# Altium PCB LimeKEY-RPCM_1v0.PcbDoc (part 3 of 8) (continued)
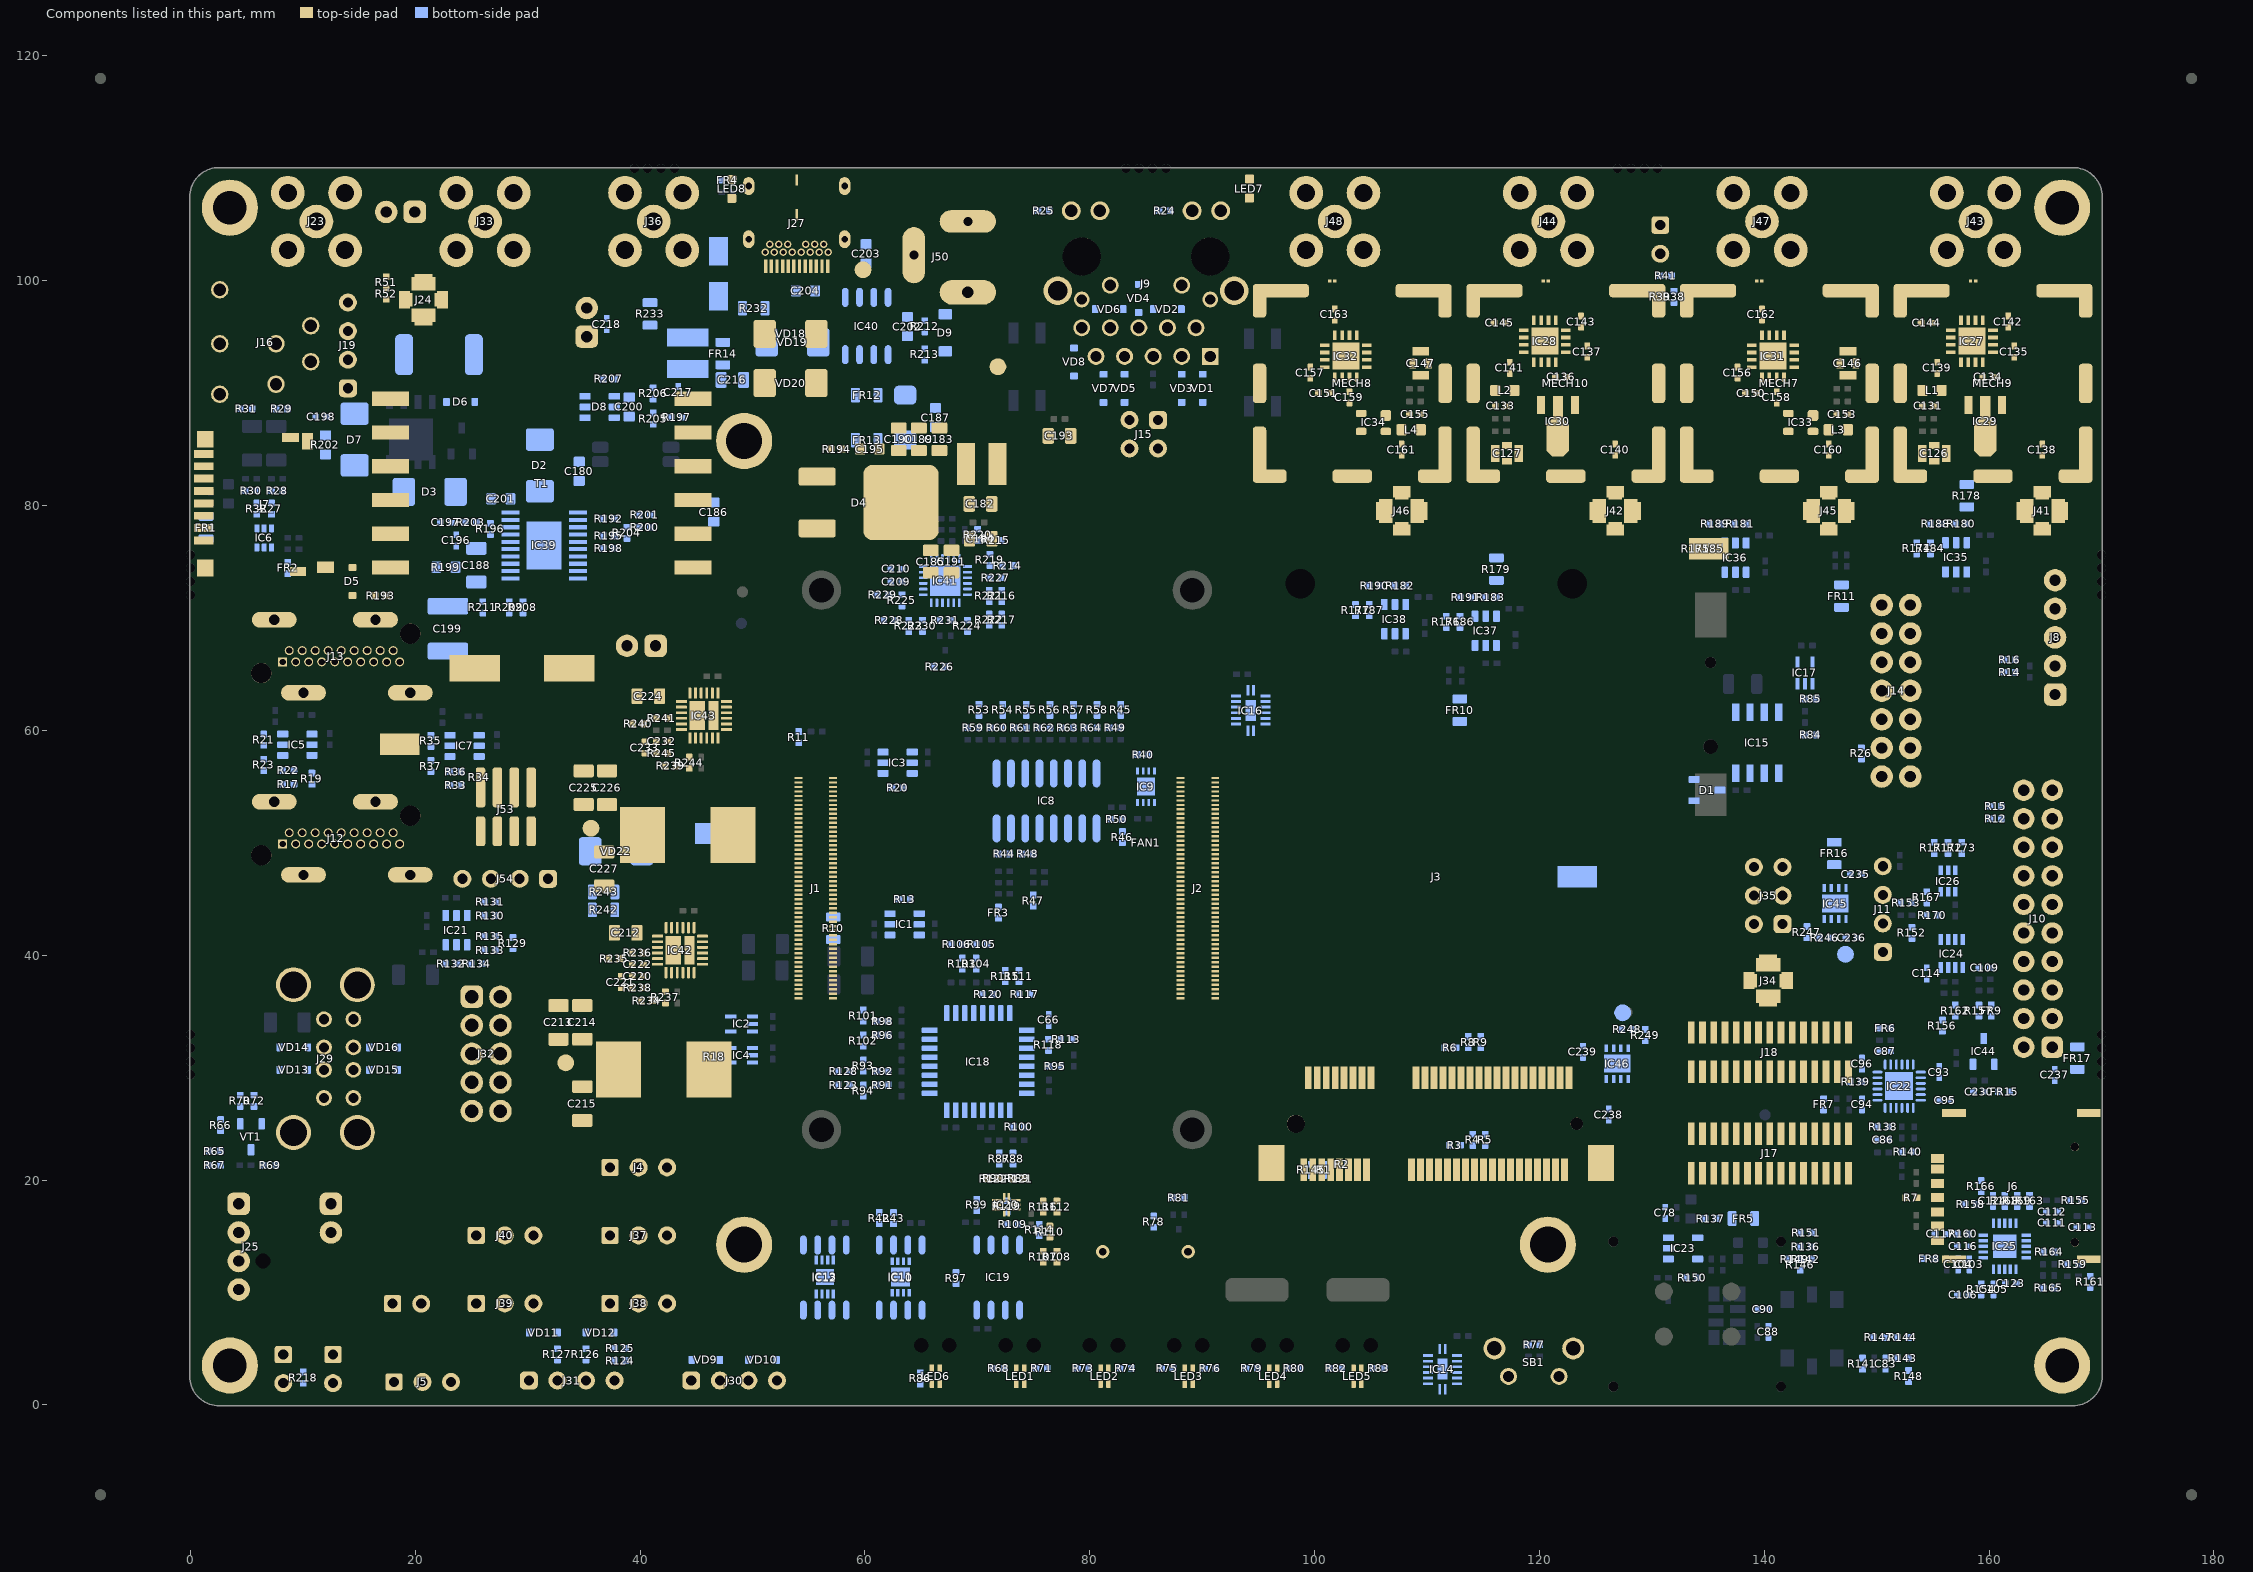
[diagram p7: the components of this part, seen from the top]
## Part data (continued)
D5 D6: library part MURA120T3G_diode, Manufacturer=Nexperia, Manufacturer Part Number 1=BAS316,115, Supplier Part Number 1=1727-4309-1-ND, ComponentLink1Description=http://www.mouser.com/ds/2/427/mmsz5225-102133.pdf, ComponentLink1URL=http://www.mouser.com/ds/2/427/mmsz5225-102133.pdf, ComponentLink2Description=http://www.onsemi.com/pub/Collateral/MMSD4148T1-D.PDF, ComponentLink2URL=http://www.onsemi.com/pub/Collateral/MMSD4148T1-D.PDF, ComponentLink3Description=http://www.farnell.com/datasheets/1707241.pdf, ComponentLink3URL=http://www.farnell.com/datasheets/1707241.pdf, ComponentLink4Description=https://www.verical.com/server-webapp/html/getDatasheet?partID=78734, ComponentLink4URL=https://www.verical.com/server-webapp/html/getDatasheet?partID=78734, ComponentLink5Description=http://www.onsemi.com/pub/Collateral/MURA115T3-D.PDF, ComponentLink5URL=http://www.onsemi.com/pub/Collateral/MURA115T3-D.PDF, ComponentLink6Description=http://www.jameco.com/Jameco/Products/ProdDS/1100812.pdf, ComponentLink6URL=http://www.jameco.com/Jameco/Products/ProdDS/1100812.pdf, ComponentLink7Description=http://uk.rs-online.com/webdocs/1221/0900766b812212fb.pdf, ComponentLink7URL=http://uk.rs-online.com/webdocs/1221/0900766b812212fb.pdf, ComponentLink8Description=http://www.farnell.com/datasheets/1750742.pdf, ComponentLink8URL=http://www.farnell.com/datasheets/1750742.pdf, ComponentLink9Description=http://www.farnell.com/datasheets/1856332.pdf?src-supplier=Farnell, ComponentLink9URL=http://www.farnell.com/datasheets/1856332.pdf?src-supplier=Farnell, ComponentLink10Description=https://assets.nexperia.com/documents/data-sheet/BAS16_SER.pdf?src-supplier=Digi-Key, ComponentLink10URL=https://assets.nexperia.com/documents/data-sheet/BAS16_SER.pdf?src-supplier=Digi-Key, ComponentLink11Description=http://www.farnell.com/datasheets/1856332.pdf?src-supplier=Newark, ComponentLink11URL=http://www.farnell.com/datasheets/1856332.pdf?src-supplier=Newark, Part Description="DIODE GEN PURP 100V 250MA SOD323", Pricing 1="1=0,16000, 10=0,14200, 100=0,07710, 500=0,04744, 1000=0,03234 (USD)", RoHS=Yes, RoHS Compliant=Yes, Stock 1=163548, Supplier 1=Digi-Key
D8: library part NCP431AVSNT1GOSCT_VREF, Case/Package=SOT-23-3, Cathode Current=60uA, Manufacturer="ON Semiconductor", Max Input Voltage=2.525V, Max Operating Temperature=125°C, Max Output Current=100mA, Max Output Voltage=36V, Min Input Voltage=2.475V, Min Operating Temperature=-40°C, Min Output Voltage=2.5V, Package Quantity=3000, Supplier Part Number 1=NCP431AVSNT1GOSCT-ND, Temperature Coefficient=50ppm/°C, Tolerance=1%, ComponentLink1Description=https://datasheet.ciiva.com/8132/ncp431-d-8132432.pdf?src-supplier=Avnet, ComponentLink1URL=https://datasheet.ciiva.com/8132/ncp431-d-8132432.pdf?src-supplier=Avnet, ComponentLink2Description=https://datasheet.ciiva.com/30476/0900766b8121bbe3-30476322.pdf?src-supplier=RSComponents, ComponentLink2URL=https://datasheet.ciiva.com/30476/0900766b8121bbe3-30476322.pdf?src-supplier=RSComponents, ComponentLink3Description=https://datasheet.ciiva.com/49020/70300496-49020892.pdf?src-supplier=Allied+Electronics, ComponentLink3URL=https://datasheet.ciiva.com/49020/70300496-49020892.pdf?src-supplier=Allied+Electronics, Halogen Free="Halogen Free", Height=1.01mm, Lead Free="Lead Free", Length=3.04mm, Manufacturer Part Number 1=NCP431AVSNT1G, Number of Pins=3, Output Current=100mA, Output Type=Adjustable, Output Voltage=36V, Packaging="Tape and Reel", Part Description="Shunt Voltage Reference IC Adjustable 2.5V 36 VV ±1% 100 mA SOT-23-3 (TO-236)", Pricing 1="1=0,44000, 10=0,35700, 25=0,32640, 100=0,24290, 250=0,22008, 500=0,18216, 1000=0,13661 (USD)", Radiation Hardening=No, REACH SVHC="No SVHC", Reference Type=Shunt,Adjustable,Programmable, Reference Voltage=2.5V, RoHS=Yes, Stock 1=4600, Supplier 1=Digi-Key, Width=1.4mm
D9: library part MMSZ5245B_shottky_diode, Manufacturer=Nexperia, Manufacturer Part Number 1=NZH10C,115, Supplier Part Number 1=1727-5057-1-ND, ComponentLink1Description=http://www.mouser.com/ds/2/427/mmsz5225-102133.pdf, ComponentLink1URL=http://www.mouser.com/ds/2/427/mmsz5225-102133.pdf, ComponentLink2Description=https://datasheet.ciiva.com/331/littelfuse-tvs-diode-smbj-datasheet-pdf-331299.pdf?src-supplier=Digi-Key, ComponentLink2URL=https://datasheet.ciiva.com/331/littelfuse-tvs-diode-smbj-datasheet-pdf-331299.pdf?src-supplier=Digi-Key, ComponentLink3Description=https://datasheet.ciiva.com/331/littelfuse-tvs-diode-smbj-datasheet-pdf-331300.pdf?src-supplier=Digi-Key, ComponentLink3URL=https://datasheet.ciiva.com/331/littelfuse-tvs-diode-smbj-datasheet-pdf-331300.pdf?src-supplier=Digi-Key, ComponentLink4Description=https://datasheet.ciiva.com/331/littelfuse-tvs-diode-smbj-datasheet-pdf-331301.pdf?src-supplier=Digi-Key, ComponentLink4URL=https://datasheet.ciiva.com/331/littelfuse-tvs-diode-smbj-datasheet-pdf-331301.pdf?src-supplier=Digi-Key, ComponentLink5Description=http://www.farnell.com/datasheets/1508365.pdf?src-supplier=Farnell, ComponentLink5URL=http://www.farnell.com/datasheets/1508365.pdf?src-supplier=Farnell, Part Description="DIODE ZENER 10V 500MW SOD123F", Pricing 1="1=0,27000, 10=0,22200, 100=0,11780, 500=0,07752, 1000=0,05271 (USD)", RoHS=Yes, RoHS Compliant=Yes, Stock 1=6768, Supplier 1=Digi-Key
ESD1 ESD2 ESD3 ESD4: Capacitance @ Frequency="0.2pF @ 1MHz", Current - Peak Pulse (10/1000µs)="3A (8/20µs)", Manufacturer="ON Semiconductor", Manufacturer Part Number 1=ESD8472MUT5G, Operating Temperature="-55°C ~ 150°C (TJ)", Package / Case=2-XFDFN, Power - Peak Pulse=-, Power Line Protection=No, Supplier Device Package="2-X3DFN (0.62x0.32)", Supplier Part Number 1=ESD8472MUT5GOSCT-ND, Voltage - Breakdown (Min)=7V, Voltage - Clamping (Max) @ Ipp=14V, Voltage - Reverse Standoff (Typ)="5.3V (Max)", Applications="Automotive, RF Antenna", Assembly Info=NF, Category="Circuit Protection", ComponentLink1Description=http://www.onsemi.com/pub/Collateral/ESD8472-D.PDF, ComponentLink1URL=http://www.onsemi.com/pub/Collateral/ESD8472-D.PDF, Mounting Type="Surface Mount", Packaging="Cut Tape (CT)", Part Description="TVS DIODE 5.3VWM 14VC X3DFN2", Part Status=Active, Pricing 1="1=0.39, 10=0.315, 100=0.2142, 500=0.16068, 1000=0.12051 (USD)", RoHS="RoHS Compliant", Stock 1=2295, Supplier 1=Digi-Key, Type=Zener
FAN1: library part 12V_DC_FAN, Case/Package=Axial, Current Rating=163mA, Flammability Rating="UL94 V-0", Manufacturer=Sunon, Manufacturer Part Number 1=ME80151V1-000U-A99, Max Operating Temperature=158°C, Max Power Dissipation=1.96W, Min Operating Temperature=14°C, Package Quantity=30, Supplier Part Number 1=259-1649-ND, Airflow=37CFM, Approvals=UL,CE,TUV, Bearing Type=Vapo-Bearing, ComponentLink1Description=https://datasheet.ciiva.com/18514/me8015-u-18514537.pdf?src-supplier=Digi-Key, ComponentLink1URL=https://datasheet.ciiva.com/18514/me8015-u-18514537.pdf?src-supplier=Digi-Key, Housing Material=Thermoplastic, Noise=34.7dBA, Part Description="Fan Tubeaxial 12VDC Square - 80mm L x 80mm H Vapo-Bearing™ 37.0 CFM (1.04m³/min) 2 Wire Leads", Pricing 1="1=6,90000, 10=6,66700, 25=6,47400, 50=6,08860, 100=5,47200, 250=5,39488, 500=5,04808 (USD)", RoHS=Yes, RPM=3000RPM, Stock 1=1611, Supplier 1=Digi-Key, Termination="2 Wire Leads", Weight=0.15lb, Width=15mm
FR1 FR5 FR10 FR11 FR12 FR13 FR14 FR16 FR17: library part Ferrite, Current Rating=2A, DC Resistance (DCR)="100 mOhm Max", Impedance @ Frequency="600 Ohm @ 100MHz", Manufacturer="TDK Corporation", Manufacturer Part Number 1=MPZ2012S601AT000, Package / Case="0805 (2012 Metric)", Supplier Part Number 1=445-2206-2-ND, Category=Filters, Filter Type="Differential Mode - Single", Height (Max)="0.041\" (1.05mm)", Mounting Type="Surface Mount", Packaging="Tape & Reel (TR)", Part Description="FERRITE BEAD 600 OHM 0805 1LN", RoHS="RoHS Compliant", Size / Dimension="0.079\" L x 0.049\" W (2.00mm x 1.25mm)", Supplier 1=Digi-Key
  FR14 FR17: Assembly Info=NF
FR2 FR3 FR4 FR6 FR7 FR8 FR9 FR15: library part Ferrite, Case/Package=0402, Case Code (Metric)=1005, Current Rating=500mA, DC Resistance (DCR)=340mR, Manufacturer=Murata, Manufacturer Part Number 1=BLM15AX601SN1D, Max Operating Temperature=125°C, Min Operating Temperature=-55°C, Package Quantity=1, Supplier Part Number 1=490-5441-1-ND, Test Frequency=100MHz, Tolerance=25%, Case Code (Imperial)=0402, ComponentLink1Description=https://www.murata.com/en-us/products/productdata/8796740059166/ENFA0018.pdf?src-supplier=Digi-Key, ComponentLink1URL=https://www.murata.com/en-us/products/productdata/8796740059166/ENFA0018.pdf?src-supplier=Digi-Key, ComponentLink2Description=http://search.murata.co.jp/Ceramy/image/img/PDF/ENG/L0110S0100BLM15AX_SN.pdf?src-supplier=Future+Electronics, ComponentLink2URL=http://search.murata.co.jp/Ceramy/image/img/PDF/ENG/L0110S0100BLM15AX_SN.pdf?src-supplier=Future+Electronics, ComponentLink3Description=http://www.produktinfo.conrad.com/datenblaetter/1100000-1199999/001171675-da-01-en-CHIP_DROSSEL0402_600R_420MA_1_0X0_5MM.pdf?src-supplier=Conrad, ComponentLink3URL=http://www.produktinfo.conrad.com/datenblaetter/1100000-1199999/001171675-da-01-en-CHIP_DROSSEL0402_600R_420MA_1_0X0_5MM.pdf?src-supplier=Conrad, ComponentLink4Description=http://www.produktinfo.conrad.com/datenblaetter/1100000-1199999/001172169-da-01-en-DROSSEL_0402_600R_1_0X0_5MM_10000ST.pdf?src-supplier=Conrad, ComponentLink4URL=http://www.produktinfo.conrad.com/datenblaetter/1100000-1199999/001172169-da-01-en-DROSSEL_0402_600R_1_0X0_5MM_10000ST.pdf?src-supplier=Conrad, Core Material=Ferrite, DC Resistance-Max=340mR, Depth=0.5mm, Height=0.5mm, Impedance=600R, Lead Free="Lead Free", Length=1mm, Material=Steel,Ferrite, Max Current Rating=500mA, Max DC Current=500mA, Number of Circuits=1, Number of Lines=1, Number of Pins=2, Packaging="Tape and Reel", Part Description="- Ferrite Bead 0402 (1005 Metric) 500mA 340mOhm", Pricing 1="1=0.1, 10=0.06, 25=0.0552, 50=0.0496, 100=0.0363, 250=0.0264, 500=0.0242, 1000=0.0209, 5000=0.0165 (USD)", REACH SVHC="No SVHC", RoHS Compliant=Yes, Series=BLM15AX_SN, Stock 1=416370, Supplier 1=Digi-Key, Termination=SMD/SMT, Width=0.5mm
  FR15: Assembly Info=NF
IC1 IC3: Case/Package=SOT-23-6, Manufacturer="Texas Instruments", Manufacturer Part Number 1=SN74AXC1T45DBVR, Max Operating Temperature=125°C, Min Operating Temperature=-40°C, Supplier Part Number 1=296-47598-1-ND, Channel Type=Bidirectional, ComponentLink1Description=http://www.ti.com/lit/ds/symlink/sn74axc1t45.pdf?src-supplier=Digi-Key, ComponentLink1URL=http://www.ti.com/lit/ds/symlink/sn74axc1t45.pdf?src-supplier=Digi-Key, ComponentLink2Description=http://www.ti.com/general/docs/suppproductinfo.tsp?distId=10&amp;gotoUrl=http%3A%2F%2Fwww.ti.com%2Flit%2Fgpn%2Fsn74axc1t45&src-supplier=Digi-Key, ComponentLink2URL=http://www.ti.com/general/docs/suppproductinfo.tsp?distId=10&amp;gotoUrl=http%3A%2F%2Fwww.ti.com%2Flit%2Fgpn%2Fsn74axc1t45&src-supplier=Digi-Key, Data Rate=500Mbps, Mount="Surface Mount", Number of Bits=1, Number of Circuits=1, Packaging="Cut Tape", Part Description="Voltage Level Translator Bidirectional 1 Circuit 1 Channel 500Mbps SOT-23-6", Pricing 1="1=0,68000, 10=0,59800, 25=0,56200, 100=0,45860, 250=0,42596, 500=0,36252, 1000=0,29002 (USD)", RoHS=Yes, RoHS Compliant=Yes, Stock 1=116252, Supplier 1=Digi-Key
IC2 IC4 IC17: library part 74AHCT1G126SE-7_BUFFER_NON_INV, Manufacturer=Diodes, Supplier Part Number 1=621-74LVC1G34QSE-7, ComponentLink1Description=https://datasheet.ciiva.com/12256/74ahct1g126-80154-12256741.pdf?src-supplier=Mouser, ComponentLink1URL=https://datasheet.ciiva.com/12256/74ahct1g126-80154-12256741.pdf?src-supplier=Mouser, ComponentLink2Description=https://datasheet.ciiva.com/26949/getdatasheetpartid-792439-26949318.pdf?src-supplier=Verical, ComponentLink2URL=https://datasheet.ciiva.com/26949/getdatasheetpartid-792439-26949318.pdf?src-supplier=Verical, ComponentLink3Description=https://datasheet.ciiva.com/1832/74ahct1g126-1832523.pdf?src-supplier=Digi-Key, ComponentLink3URL=https://datasheet.ciiva.com/1832/74ahct1g126-1832523.pdf?src-supplier=Digi-Key, ComponentLink4Description=https://datasheet.ciiva.com/1832/74ahct1g126-1832524.pdf?src-supplier=Digi-Key, ComponentLink4URL=https://datasheet.ciiva.com/1832/74ahct1g126-1832524.pdf?src-supplier=Digi-Key, ComponentLink5Description=https://datasheet.ciiva.com/1154/74ahct1g126-1154309.pdf?src-supplier=Element14, ComponentLink5URL=https://datasheet.ciiva.com/1154/74ahct1g126-1154309.pdf?src-supplier=Element14, ComponentLink6Description=https://datasheet.ciiva.com/26939/getdatasheetpartid-779272-26939183.pdf?src-supplier=Verical, ComponentLink6URL=https://datasheet.ciiva.com/26939/getdatasheetpartid-779272-26939183.pdf?src-supplier=Verical, Manufacturer Part Number 1=74LVC1G34QSE-7, Part Description="Buffers & Line Drivers Logic LVC 1 Gate SOT353 T&R 3K", Pricing 1="1=0,45000, 10=0,33900, 50=0,33900, 100=0,17800, 1000=0,11200, 10000=0,09400 (USD)", RoHS=Yes, Stock 1=1171, Supplier 1=Mouser
IC5 IC7 IC21 IC35 IC36 IC37 IC38: library part MIC2033_power_switch, Case/Package=SOT-23-6, Manufacturer=Microchip, Manufacturer Part Number 1=MIC2033-05AYM6-TR, Max Operating Temperature=125°C, Max Output Current=500mA, Min Operating Temperature=-40°C, Package Quantity=3000, Supplier Part Number 1=576-4143-1-ND, ComponentLink1Description=http://www.mouser.com/ds/2/268/mic2033-b-1076865.pdf?src-supplier=Mouser, ComponentLink1URL=http://www.mouser.com/ds/2/268/mic2033-b-1076865.pdf?src-supplier=Mouser, ComponentLink2Description=http://components.arrow.com/part/dataview/56727820S413982N1374?src-supplier=Arrow+Electronics, ComponentLink2URL=http://components.arrow.com/part/dataview/56727820S413982N1374?src-supplier=Arrow+Electronics, ComponentLink3Description=http://www.microchip.com/mymicrochip/filehandler.aspx?ddocname=en579457&src-supplier=Digi-Key, ComponentLink3URL=http://www.microchip.com/mymicrochip/filehandler.aspx?ddocname=en579457&src-supplier=Digi-Key, Fault Protection="Over Temperature", Interface=On/Off, Mount="Surface Mount", Number of Outputs=1, Number of Pins=6, Number of Switches=1, Output Configuration="High Side", Packaging="Tape and Reel", Part Description="Power Switch ICs - Power Distribution 500mA High-Side, Power Distribution Switch", Pricing 1="1=0,80000, 25=0,65720, 100=0,61500 (USD)", RoHS=Yes, RoHS Compliant=Yes, Series=-, Stock 1=1966, Supplier 1=Digi-Key
IC6: library part NC7WZ16P6X_DUAL_BUFFER, Manufacturer=Nexperia, Manufacturer Part Number 1=74LVC2G34GW,125, Supplier Part Number 1=1727-4219-1-ND, ComponentLink1Description=https://assets.nexperia.com/documents/data-sheet/74LVC2G34.pdf?src-supplier=Digi-Key, ComponentLink1URL=https://assets.nexperia.com/documents/data-sheet/74LVC2G34.pdf?src-supplier=Digi-Key, Part Description="Buffer, Non-Inverting 2 Element 1 Bit per Element Push-Pull Output 6-TSSOP", Pricing 1="1=0,430000, 10=0,321000, 25=0,281200, 100=0,182000, 250=0,150640, 500=0,120520, 1000=0,092400 (USD)", RoHS=Yes, RoHS Compliant=Yes, Stock 1=2900, Supplier 1=Digi-Key
IC8: library part MCP3208-CI/SL, "2.7V 4-Channel/8-Channel 12-Bit A/D Converters with SPI Serial Interface, 16-Pin SOIC 150mil, C Performance Grade, Industrial Temperature", Manufacturer=Microchip, Manufacturer Part Number 1=MCP3208T-CI/SL, Supplier Part Number 1=MCP3208T-CI/SLCT-ND, Mounting Technology="Surface Mount", PackageDescription="16-Lead Plastic Small Outline (SL) - Narrow, 3.90mm Body [SOIC]", PackageReference=SOIC-SL16, PackageVersion="revBB, Aug-2009", Part Description="12 Bit Analog to Digital Converter 4, 8 Input 1 SAR 16-SOIC", PartNumber=MCP3208-CI/SL, Supplier 1=Digi-Key
IC9: Manufacturer="NXP Semiconductors", Manufacturer Part Number 1=LM75BTP,147, Operating Temperature="-55°C ~ 125°C", Package / Case="8-WFDFN Exposed Pad", Sensing Temperature - Remote=-, Supplier Device Package="8-HWSON (2x3)", Supplier Part Number 1=568-9815-2-ND, Voltage - Supply="2.8 V ~ 5.5 V", Accuracy - Highest (Lowest)="±2°C (±3°C)", Category="Sensors, Transducers", Features="Output Switch, Programmable Limit, Shutdown Mode", Output Type=I²C, Packaging="Tape & Reel (TR)", Part Description="SENSOR TEMPERATURE I2C 8HWSON", Resolution="10 b", RoHS="RoHS Compliant", Sensing Temperature - Local="-55°C ~ 125°C", Sensor Type="Digital, Local", Supplier 1=Digi-Key, Test Condition="-25°C ~ 100°C (-55°C ~ 125°C)"
IC10: library part 24FC64F, Base Part Number=CAT24C128, Manufacturer="ON Semiconductor", Operating Temperature="-40°C ~ 85°C (TA)", Package / Case="8-SOIC (0.154\", 3.90mm Width)", Supplier Device Package=8-SOIC, Supplier Part Number 1=CAT24C128WI-GT3CT-ND, Voltage - Supply="1.8 V ~ 5.5 V", Category="Integrated Circuits (ICs)", ComponentLink1Description=http://www.onsemi.com/pub/Collateral/CAT24C128-D.PDF, ComponentLink1URL=http://www.onsemi.com/pub/Collateral/CAT24C128-D.PDF, Manufacturer Part Number 1=CAT24C128WI-GT3, Memory Format=EEPROM, Memory Interface=I²C, Memory Size="128Kb (16K x 8)", Memory Type=Non-Volatile, Mounting Type="Surface Mount", Packaging="Cut Tape (CT)", Part Description="EEPROM Memory IC 128Kb (16K x 8) I²C 1MHz 400ns 8-SOIC", Part Status=Active, Pricing 1="1=0.31, 10=0.309, 100=0.2532, 500=0.24616, 1000=0.23956 (USD)", RoHS="RoHS Compliant", Stock 1=14804, Supplier 1=Digi-Key, Technology=EEPROM, Write Cycle Time - Word, Page=5ms
IC11: library part M24128-DFMC6TG, Manufacturer=STMicroelectronics, Operating Temperature="-40°C ~ 85°C (TA)", Package / Case="8-UFDFN Exposed Pad", Supplier Device Package="8-UFDFPN (2x3)", Supplier Part Number 1=497-15739-1-ND, Voltage - Supply="1.7 V ~ 5.5 V", Assembly Info=NF, Category="Integrated Circuits (ICs)", ComponentLink1Description=http://www.st.com/content/ccc/resource/technical/document/datasheet/59/05/c9/5b/7b/41/48/b6/CD00259167.pdf/files/CD00259167.pdf/jcr:content/translations/en.CD00259167.pdf, ComponentLink1URL=http://www.st.com/content/ccc/resource/technical/document/datasheet/59/05/c9/5b/7b/41/48/b6/CD00259167.pdf/files/CD00259167.pdf/jcr:content/translations/en.CD00259167.pdf, Manufacturer Part Number 1=M24128-DFMC6TG, Memory Format=EEPROM, Memory Interface=I²C, Memory Size="128Kb (16K x 8)", Memory Type=Non-Volatile, Mounting Type="Surface Mount", Packaging="Cut Tape (CT)", Part Description="EEPROM Memory IC 128Kb (16K x 8) I²C 1MHz 450ns 8-UFDFPN (2x3)", Part Status=Active, Pricing 1="1=0.35, 10=0.348, 100=0.2854, 500=0.27748, 1000=0.27004 (USD)", RoHS="RoHS Compliant", Stock 1=5894, Supplier 1=Digi-Key, Technology=EEPROM, Write Cycle Time - Word, Page=5ms
IC12: library part ATECC508A_authentication_IC, Base Part Number=ATECC508, Manufacturer="Microchip Technology", Manufacturer Part Number 1=ATECC508A-SSHDA-T, Package / Case="8-SOIC (0.154\", 3.90mm Width)", Supplier Device Package=8-SOIC, Supplier Part Number 1=ATECC508A-SSHDA-TCT-ND, Applications="Networking and Communications", Assembly Info=NF, Category="Integrated Circuits (ICs)", Mounting Type="Surface Mount", Packaging="Cut Tape (CT)", Part Description="Authentication Chip IC Networking and Communications 8-SOIC", Part Status=Active, RoHS="RoHS Compliant", Supplier 1=Digi-Key, Type="Authentication Chip"
IC13: library part ATECC508A_authentication_IC, Manufacturer=Microchip, Manufacturer Part Number 1=ATECC508A-MAHDA-S, Supplier Part Number 1=ATECC508A-MAHDA-SDKR-ND, Part Description="Authentication Chip IC Networking and Communications 8-UDFN (2x3)", Pricing 1="1=0.73, 25=0.7064 (USD)", Stock 1=27941, Supplier 1=Digi-Key
IC14 IC16: library part 74HC595BQ,115, Manufacturer="Nexperia USA Inc.", Manufacturer Part Number 1=74AHC595BQ,115, Operating Temperature="-40°C ~ 125°C", Package / Case="16-VFQFN Exposed Pad", Supplier Device Package="16-DHVQFN (2.5x3.5)", Supplier Part Number 1=1727-6021-2-ND, Voltage - Supply="2 V ~ 5.5 V", Base Part Number=74AHC595, Category="Integrated Circuits (ICs)", ComponentLink1Description=https://assets.nexperia.com/documents/data-sheet/74AHC_AHCT595.pdf, ComponentLink1URL=https://assets.nexperia.com/documents/data-sheet/74AHC_AHCT595.pdf, Function="Serial to Parallel, Serial", Logic Type="Shift Register", Mounting Type="Surface Mount", Output Type=Tri-State, Packaging="Tape & Reel (TR)", Part Description="C 8BIT SHIFT REGISTER 16-DHVQFN", Part Status=Active, Pricing 1="3000=0.17949, 6000=0.16791, 15000=0.15633, 30000=0.14822 (USD)", RoHS="RoHS Compliant", Stock 1=24000, Supplier 1=Digi-Key
IC15: library part PCF85063AT_RTC_CALENDAR, Case/Package=TSSOP, Manufacturer="NXP Semiconductors", Manufacturer Part Number=PCF85063ATT/AJ, Max Operating Temperature=85°C, Max Supply Voltage=5.5V, Min Operating Temperature=-40°C, Min Supply Voltage=900mV, Supplier Part Number 1=568-12404-1-ND, ComponentLink1Description=http://www.farnell.com/datasheets/2014362.pdf?src-supplier=Farnell, ComponentLink1URL=http://www.farnell.com/datasheets/2014362.pdf?src-supplier=Farnell, ComponentLink2Description=https://www.nxp.com/docs/en/data-sheet/PCF85063A.pdf?src-supplier=Digi-Key, ComponentLink2URL=https://www.nxp.com/docs/en/data-sheet/PCF85063A.pdf?src-supplier=Digi-Key, ComponentLink3Description=http://www.nxp.com/documents/data_sheet/PCF85063A.pdf?src-supplier=Avnet, ComponentLink3URL=http://www.nxp.com/documents/data_sheet/PCF85063A.pdf?src-supplier=Avnet, Contact Plating=Gold, Date Format=YY-MM-DD-dd, Interface=I2C,Serial,2-Wire, Lead Free="Lead Free", Logic Function=Clock, Manufacturer Part Number 1=PCF85063ATT/AJ, Mount="Surface Mount", Number of Pins=8, Packaging="Tape and Reel", Part Description="Real Time Clock (RTC) IC Clock/Calendar - I²C, 2-Wire Serial 8-SOIC (0.154\", 3.90mm Width)", Pricing 1="1=1,06000, 10=0,94800, 25=0,89920, 100=0,73870, 250=0,69056, 500=0,61028, 1000=0,50779 (USD)", RoHS=Yes, RoHS Compliant=Yes, Stock 1=56211, Supplier 1=Digi-Key, Time Format="HH:MM:SS (12/24 hr)"
IC18: library part TUSB2036_USB_HUB, Case/Package=LQFP, Manufacturer="Texas Instruments", Manufacturer Part Number 1=TUSB2036VF, Max Operating Temperature=70°C, Max Supply Voltage=3.6V, Min Operating Temperature=0°C, Min Supply Voltage=3V, Operating Supply Current=40mA, Operating Supply Voltage=3.3V, Package Quantity=250, Supplier Part Number 1=296-11086-ND, ComponentLink1Description=https://datasheet.ciiva.com/1505/1535702-1505189.pdf?src-supplier=Element14, ComponentLink1URL=https://datasheet.ciiva.com/1505/1535702-1505189.pdf?src-supplier=Element14, ComponentLink2Description=https://datasheet.ciiva.com/1613/tusb2036-1613315.pdf?src-supplier=Newark, ComponentLink2URL=https://datasheet.ciiva.com/1613/tusb2036-1613315.pdf?src-supplier=Newark, ComponentLink3Description=https://datasheet.ciiva.com/15134/getdatasheetpartid-225880-15134503.pdf?src-supplier=Verical, ComponentLink3URL=https://datasheet.ciiva.com/15134/getdatasheetpartid-225880-15134503.pdf?src-supplier=Verical, ComponentLink4Description=https://datasheet.ciiva.com/5835/1535702-5835498.pdf?src-supplier=Farnell, ComponentLink4URL=https://datasheet.ciiva.com/5835/1535702-5835498.pdf?src-supplier=Farnell, ComponentLink5Description=https://datasheet.ciiva.com/1695/tusb2036-1695700.pdf?src-supplier=Digi-Key, ComponentLink5URL=https://datasheet.ciiva.com/1695/tusb2036-1695700.pdf?src-supplier=Digi-Key, ComponentLink6Description=https://datasheet.ciiva.com/41461/001187495-da-01-en-ic-2-3-port-usb-h-tusb2036vf-lqfp-32-tid-41461301.pdf?src-supplier=Conrad, ComponentLink6URL=https://datasheet.ciiva.com/41461/001187495-da-01-en-ic-2-3-port-usb-h-tusb2036vf-lqfp-32-tid-41461301.pdf?src-supplier=Conrad, Data Rate=12Mbps, Height=1.4mm, Lead Free="Lead Free", Length=7mm, Number of Pins=32, Number of Ports=3, Packaging=Tray, Part Description="USB Hub Controller USB 2.0 USB Interface 32-LQFP (7x7)", Pricing 1="1=4,18000, 10=3,75400, 25=3,54880, 80=3,07575, 250=2,91796, 500=2,61828, 1000=2,38080 (USD)", Radiation Hardening=No, REACH SVHC="No SVHC", RoHS=Yes, RoHS Compliant=Yes, Stock 1=77, Supplier 1=Digi-Key, Termination=SMD/SMT, USB Standard="USB 2.0", Weight=0.006148oz, Width=7mm
IC19: library part 93LC66AT-I/SN_EEPROM, Manufacturer="Microchip Technology", Manufacturer Part Number 1=93LC66AT-I/SN, Operating Temperature="-40°C ~ 85°C (TA)", Package / Case="8-SOIC (0.154\", 3.90mm Width)", Supplier Device Package=8-SOIC, Supplier Part Number 1=93LC66AT-I/SNDKR-ND, Voltage - Supply="2.5 V ~ 5.5 V", Assembly Info=NF, Category="Integrated Circuits (ICs)", ComponentLink1Description=http://www.microchip.com/mymicrochip/filehandler.aspx?ddocname=en011819, ComponentLink1URL=http://www.microchip.com/mymicrochip/filehandler.aspx?ddocname=en011819, Memory Format=EEPROM, Memory Interface=SPI, Memory Size="4Kb (512 x 8)", Memory Type=Non-Volatile, Mounting Type="Surface Mount", Packaging=Digi-Reel®, Part Description="EEPROM Memory IC 4Kb (512 x 8) SPI 2MHz 8-SOIC", Part Status=Active, Pricing 1="1=0.27, 25=0.2576, 100=0.2543 (USD)", RoHS="RoHS Compliant", Stock 1=6857, Supplier 1=Digi-Key, Technology=EEPROM, Write Cycle Time - Word, Page=6ms
IC20: Base Part Number=FSUSB42, Manufacturer="ON Semiconductor", On-State Resistance (Max)="6.5 Ohm", Operating Temperature="-40°C ~ 85°C (TA)", Package / Case=10-UFQFN, Supplier Device Package="10-UMLP (1.8x1.4)", Supplier Part Number 1=FSUSB42UMXCT-ND, Voltage - Supply, Dual (V±)=-, Voltage - Supply, Single (V+)="2.4 V ~ 4.4 V", -3db Bandwidth=720MHz, Applications=USB, Category="Integrated Circuits (ICs)", ComponentLink1Description=https://www.fairchildsemi.com/datasheets/FS/FSUSB42.pdf, ComponentLink1URL=https://www.fairchildsemi.com/datasheets/FS/FSUSB42.pdf, Features="Break-Before-Make, USB 2.0", Manufacturer Part Number 1=FSUSB42UMX, Multiplexer/Demultiplexer Circuit=-, Packaging="Cut Tape (CT)", Part Description="USB Switch IC 1 Channel 10-UMLP (1.8x1.4)", Part Status=Active, Pricing 1="1=0.59, 10=0.502, 100=0.3749, 500=0.29458, 1000=0.22763 (USD)", RoHS="RoHS Compliant", Stock 1=8344, Supplier 1=Digi-Key, Switch Circuit=DPDT
IC22: Frequency - Max=200MHz, Manufacturer="Texas Instruments", Manufacturer Part Number 1=LMK00105SQ/NOPB, Operating Temperature="-40°C ~ 85°C", Package / Case="24-WFQFN Exposed Pad", Supplier Device Package="24-WQFN (4x4)", Supplier Part Number 1=LMK00105SQ/NOPBCT-ND, Voltage - Supply="2.375 V ~ 3.45 V", Category="Integrated Circuits (ICs)", Differential - Input:Output=Yes/No, Input="HCSL, LVCMOS, LVDS, LVPECL, LVTTL, SSTL, Crystal", Part Description="IC CLK BUFFER 2:5 200MHZ 24WQFN", Supplier 1=Digi-Key, Type="Fanout Buffer (Distribution), Multiplexer, Translator"
IC23: library part LP5907, Case/Package=SOT-23-5, Dropout Voltage=50mV, Manufacturer="Texas Instruments", Manufacturer Part Number 1=LP5907QMFX-3.0Q1, Max Input Voltage=5.5V, Max Operating Temperature=125°C, Max Output Current=250mA, Min Input Voltage=2.2V, Min Operating Temperature=-40°C, Output Voltage=3V, Quiescent Current=425uA, Supplier Part Number 1=296-40364-1-ND, Accuracy=2%, Assembly Info=NF, ComponentLink1Description=https://datasheet.ciiva.com/48677/lp5907-q1-48677562.pdf?src-supplier=Avnet, ComponentLink1URL=https://datasheet.ciiva.com/48677/lp5907-q1-48677562.pdf?src-supplier=Avnet, Lead Free="Lead Free", Mount="Surface Mount", Number of Outputs=1, Number of Regulators=1, Output Current=250mA, Output Type=Fixed, Packaging="Tape and Reel", Part Description="Linear Voltage Regulator IC Positive Fixed 1 Output  250mA SOT-23-5", Polarity=Positive, Pricing 1="1 = 0,65000, 10 = 0,56000, 100 = 0,41820, 500 = 0,32858, 1000 = 0,25390 (USD)", Radiation Hardening=No, RoHS=Yes, Stock 1=90911, Supplier 1=Digi-Key
IC24: Manufacturer="Analog Devices Inc.", Manufacturer Part Number 1=AD5662BRJZ-2REEL7, Operating Temperature="-40°C ~ 125°C", Package / Case=SOT-23-8, Supplier Part Number 1=AD5662BRJZ-2REEL7CT-ND, Voltage - Supply, Analog="2.7 V ~ 5.5 V", Architecture="String DAC", Category="Integrated Circuits (ICs)", ComponentLink1Description=http://www.analog.com/media/en/technical-documentation/data-sheets/AD5662.pdf, ComponentLink1URL=http://www.analog.com/media/en/technical-documentation/data-sheets/AD5662.pdf, Data Interface="SPI, DSP", Differential Output=No, INL/DNL (LSB)="±8, ±1 (Max)", Number of Bits=16, Number of D/A Converters=1, Output Type="Voltage - Buffered", Packaging="Cut Tape (CT)", Part Description="IC DAC 16BIT BUFF V-OUT SOT23-8", Part Status=Active, Pricing 1="1=7.55, 10=6.821, 100=5.6469, 500=4.91722, 1000=4.28274 (USD)", Reference Type=External, RoHS="RoHS Compliant", Settling Time=10µs, Stock 1=2784, Supplier 1=Digi-Key, Supplier Device Package=SOT-23-8, Voltage - Supply, Digital="2.7 V ~ 5.5 V"
IC25: Manufacturer="Analog Devices Inc", Manufacturer Part Number 1=ADF4002BCPZ-RL7, Operating Temperature="-40°C ~ 85°C", Package / Case="20-VFQFN Exposed Pad, CSP", Supplier Part Number 1=ADF4002BCPZ-RL7CT-ND, Voltage - Supply="2.7 V ~ 3.3 V", Category="Integrated Circuits (ICs)", Differential - Input:Output=Yes/No, Input="CMOS, TTL", Mounting Type="Surface Mount", Part Description="IC PLL FREQUENCY SYNTH 20-LFCSP", Ratio - Input:Output=2:1, Supplier=Digi-Key, Supplier 1=Digi-Key, Type="Clock/Frequency Synthesizer (RF), Phase Detector"
IC26: "Single 8-Bit nanoDAC with SPI Interface in LFCSP and SC70, 2.7 to 5.5 V, <100 uA, -40 to +125 degC, KS-6, Pb-Free, Reel", Generic Part Number=AD5601, Manufacturer="Analog Devices", Supplier Part Number 1=AD5601BKSZ-REEL7TR-ND, # DAC Outputs=1, Assembly Info=NF, Code_JEDEC=MO-203-AB, ComponentLink1Description="Manufacturer URL", ComponentLink1URL=http://www.analog.com/en/index.html, ComponentLink2Description=Datasheet, ComponentLink2URL=http://www.analog.com/static/imported-files/data_sheets/AD5601_5611_5621.pdf, ComponentLink3Description="Package Specification", ComponentLink3URL=http://www.analog.com/static/imported-files/packages/PKG_PDF/SC70(KS)/KS_6.pdf, ComponentLink4Description="Product URL", ComponentLink4URL=http://www.analog.com/en/digital-to-analog-converters/da-converters/ad5601/products/product.html, DatasheetVersion=Rev.F, Manufacturer Part Number 1=AD5601BKSZ-REEL7, Max V+=5.5V, Mounting Technology="Surface Mount", Op Pwr Diss=550µW, PackageDescription="6-Lead Thin Shrink Small Outline Transistor Package [SC70]", PackageReference=KS-6, PackageVersion=072809-A, Packing=Reel, Part Description="IC DAC 8BIT BUFF V-OUT SC70-6", PartNumber=AD5601BKSZ-REEL7, Resolution (Bits)=8, RoHS=Y, Settling Time=6µs, Single Supply=Yes, Supplier 1=Digi-Key, Supplier 2=Digi-Key, Supplier 3=Digi-Key, Supplier 4=Farnell, Supplier 5=Newark, Supplier 6=Newark, Supplier 7=Mouser, Supplier Part Number 2=AD5601BKSZ-REEL7CT-ND, Supplier Part Number 3=AD5601BKSZ-REEL7DKR-ND, Supplier Part Number 4=2312971, Supplier Part Number 5=59K4256, Supplier Part Number 6=67W3160, Supplier Part Number 7=584-AD5601BKSZ-R7
IC27 IC28 IC31 IC32: library part SKY13286-359LF_RF_switch, Case/Package=QFN, Frequency=6GHz, Manufacturer="Skyworks Solutions", Manufacturer Part Number 1=SKY13286-359LF, Max Operating Temperature=95°C, Max Supply Voltage=5.5V, Min Frequency=100MHz, Min Operating Temperature=-40°C, Min Supply Voltage=2.7V, Operating Frequency="100 MHz to 6 GHz", Package Quantity=1, Supplier Part Number 1=863-1049-1-ND, ComponentLink1Description=https://datasheet.ciiva.com/15100/getdatasheetpartid-656005-15100455.pdf?src-supplier=Verical, ComponentLink1URL=https://datasheet.ciiva.com/15100/getdatasheetpartid-656005-15100455.pdf?src-supplier=Verical, ComponentLink2Description=https://datasheet.ciiva.com/12080/200570h-20342-12080171.pdf?src-supplier=Mouser, ComponentLink2URL=https://datasheet.ciiva.com/12080/200570h-20342-12080171.pdf?src-supplier=Mouser, Contact Plating=Tin,Matte, IIP3=46dBm, Impedance=50R, Insertion Loss=1.8dB, Max Frequency=6GHz, Mount="Surface Mount", Number of Pins=16, Number of Switches=3, P1dB=30dBm, Packaging="Tape and Reel", Part Description="RF Switch IC GSM, ISM, PCS, WCDMA SPDT 6 GHz 50Ohm 16-QFN (4x4)", Pricing 1="1=3,45000, 10=3,09600, 25=2,92720, 100=2,53700, 250=2,40684, 500=2,15966, 1000=1,95150 (USD)", Radiation Hardening=No, REACH SVHC=Unknown, RoHS=Yes, RoHS Compliant=Yes, Series=-, Stock 1=60609, Supplier 1=Digi-Key, Termination=SMD/SMT, Throw Configuration=SPDT, Turn-Off Delay Time=50ns, Turn-On Delay Time=50ns
IC29 IC30: library part SBB-5089_RF_AMP, Manufacturer=Qorvo, Manufacturer Part Number 1=SBB5089Z, Supplier Part Number 1=772-SBB5089Z, Part Description="RF Amplifier .05-6GHz SSG 20.5dB NF 3.9dB", Pricing 1="1=4,83000, 10=4,83000, 50=3,70000, 100=2,89000, 1000=2,89000, 10000=2,89000 (USD)", RoHS=No, Stock 1=59301, Supplier 1=Mouser
IC33 IC34: library part SPF5043Z_RF_LNA, Manufacturer=Qorvo, Supplier Part Number 1=772-SPF5043Z, Manufacturer Part Number 1=SPF5043Z, Part Description="RF Amplifier .05-4GHz SSG 12.9dB NF .8dB GaAs", Pricing 1="1=3,68000, 10=3,68000, 50=2,67000, 100=2,17000, 1000=1,20000, 10000=1,06000 (USD)", RoHS=Yes, RoHS Compliant=Yes, Stock 1=151851, Supplier 1=Mouser
IC39: library part NCP1083_PoE_controller, Case/Package=TSSOP, Frequency=500kHz, Manufacturer="ON Semiconductor", Manufacturer Part Number=NCP1083DER2G, Max Operating Temperature=85°C, Max Power Dissipation=40W, Min Operating Temperature=-40°C, Nominal Supply Current=1.1A, Output Voltage=9V, Package Quantity=2500, Supplier Part Number 1=NCP1083DER2GOSCT-ND, ComponentLink1Description=https://datasheet.ciiva.com/9213/ncp1083-d-9213696.pdf?src-supplier=Avnet, ComponentLink1URL=https://datasheet.ciiva.com/9213/ncp1083-d-9213696.pdf?src-supplier=Avnet, ComponentLink2Description=https://datasheet.ciiva.com/1573/1441870-1573173.pdf?src-supplier=Farnell, ComponentLink2URL=https://datasheet.ciiva.com/1573/1441870-1573173.pdf?src-supplier=Farnell, ComponentLink3Description=https://datasheet.ciiva.com/1647/1441870-1647157.pdf?src-supplier=Newark, ComponentLink3URL=https://datasheet.ciiva.com/1647/1441870-1647157.pdf?src-supplier=Newark, ComponentLink4Description=https://datasheet.ciiva.com/1573/1441870-1573174.pdf?src-supplier=Farnell, ComponentLink4URL=https://datasheet.ciiva.com/1573/1441870-1573174.pdf?src-supplier=Farnell, ComponentLink5Description=https://datasheet.ciiva.com/16469/ncp1083-d-16469798.pdf?src-supplier=Future+Electronics, ComponentLink5URL=https://datasheet.ciiva.com/16469/ncp1083-d-16469798.pdf?src-supplier=Future+Electronics, ComponentLink6Description=https://datasheet.ciiva.com/1512/1441870-1512909.pdf?src-supplier=Element14, ComponentLink6URL=https://datasheet.ciiva.com/1512/1441870-1512909.pdf?src-supplier=Element14, Halogen Free="Halogen Free", Lead Free="Lead Free", Manufacturer Part Number 1=NCP1083DER2G, Max Duty Cycle=80%, Number of Channels=1, Number of Outputs=1, Number of Pins=20, Output Current=1.1A, Packaging="Tape and Reel", Part Description="Power Over Ethernet Controller 1 Channel 802.3at (PoE+), 802.3af (PoE) 20-TSSOP-EP", Pricing 1="1=4,10000, 10=3,68200, 25=3,48120, 100=3,01700, 250=2,86228, 500=2,56832, 1000=2,16605 (USD)", Radiation Hardening=No, REACH SVHC="No SVHC", RoHS=Yes, RoHS Compliant=Yes, Series=-, Stock 1=12659, Supplier 1=Digi-Key, Supply Current=1.1A, Switching Frequency=500kHz, Topology=Flyback
IC40: library part IRF9358TRPBF_DUAL_NMOS, Case/Package=SOIC, Continuous Drain Current (ID)=9.2A, Drain to Source Breakdown Voltage=-30V, Drain to Source Resistance=23.8mR, Drain to Source Voltage (Vdss)=30V, Gate to Source Voltage (Vgs)=20V, Input Capacitance=1.74nF, Manufacturer="International Rectifier", Max Operating Temperature=150°C, Max Power Dissipation=2W, Min Operating Temperature=-55°C, Package Quantity=1, Supplier Part Number 1=IRF9358TRPBFDKR-ND, ComponentLink1Description=https://datasheet.ciiva.com/7798/irf9358pbf-7798959.pdf?src-supplier=Element14, ComponentLink1URL=https://datasheet.ciiva.com/7798/irf9358pbf-7798959.pdf?src-supplier=Element14, ComponentLink2Description=https://datasheet.ciiva.com/929/irf9358pbf-929243.pdf?src-supplier=Digi-Key, ComponentLink2URL=https://datasheet.ciiva.com/929/irf9358pbf-929243.pdf?src-supplier=Digi-Key, ComponentLink3Description=https://datasheet.ciiva.com/929/irf9358pbf-929244.pdf?src-supplier=Digi-Key, ComponentLink3URL=https://datasheet.ciiva.com/929/irf9358pbf-929244.pdf?src-supplier=Digi-Key, ComponentLink4Description=https://datasheet.ciiva.com/929/irf9358pbf-929245.pdf?src-supplier=Digi-Key, ComponentLink4URL=https://datasheet.ciiva.com/929/irf9358pbf-929245.pdf?src-supplier=Digi-Key, Element Configuration=Dual, Fall Time=69ns, Height=1.5mm, Length=5mm, Manufacturer Part Number 1=IRF9358TRPBF, Mount="Surface Mount", Nominal Vgs=-1.8V, Number of Pins=8, Packaging="Tape and Reel", Part Description="Mosfet Array 2 P-Channel (Dual) 30V 9.2A 2W Surface Mount 8-SO", Power Dissipation=2W, Radiation Hardening=No, Rds On Max=16.3mR, REACH SVHC="No SVHC", Rise Time=7.2ns, RoHS=Yes, Stock 1=0, Supplier 1=Digi-Key, Turn-Off Delay Time=146ns, Turn-On Delay Time=5.7ns, Width=4mm
IC41: library part USB_POWER_DISTR_CYPD3177-24LQXQT, Manufacturer=Cypress, Supplier Part Number 1=428-CYPD3177-24LQXQTCT-ND, Manufacturer Part Number 1=CYPD3177-24LQXQT, Part Description=428-CYPD3177-24LQXQTCT-ND, Pricing 1="1=2,31000, 10=2,07900, 25=1,96080, 100=1,67080, 250=1,56880, 500=1,37270, 1000=1,13738 (USD)", RoHS=No, Stock 1=19489, Supplier 1=Digi-Key
IC42: Current - Output=6A, Frequency - Switching="200kHz ~ 1.4MHz", Manufacturer="Analog Devices Inc.", Manufacturer Part Number=ADP2386ACPZN-R7, Operating Temperature="-40°C ~ 125°C (TJ)", Package / Case="24-WFQFN Exposed Pad, CSP", Supplier Device Package 1="24-LFCSP-WQ (4x4)", Supplier Part Number 1=ADP2386ACPZN-R7DKR-ND, Voltage - Input (Max)=20V, Voltage - Input (Min)=4.5V, Voltage - Output (Max)=18V, Voltage - Output (Min/Fixed)=0.6V, Category="Integrated Circuits (ICs)", Function=Step-Down, Manufacturer Part Number 1=ADP2386ACPZN-R7, Mounting Type="Surface Mount", Number of Outputs=1, Output Configuration=Positive, Output Type=Adjustable, Packaging=Digi-Reel®, Part Description="IC REG BUCK ADJ 6A SYNC 24LFCSP", RoHS="RoHS Compliant", Supplier 1=Digi-Key, Synchronous Rectifier=Yes, Topology=Buck
IC43: Current - Output=6A, Frequency - Switching="200kHz ~ 1.4MHz", Manufacturer="Analog Devices Inc.", Manufacturer Part Number 1=ADP2386ACPZN-R7, Operating Temperature="-40°C ~ 125°C (TJ)", Package / Case="24-WFQFN Exposed Pad, CSP", Supplier Device Package="24-LFCSP-WQ (4x4)", Supplier Part Number 1=ADP2386ACPZN-R7DKR-ND, Voltage - Input (Max)=20V, Voltage - Input (Min)=4.5V, Voltage - Output (Max)=18V, Voltage - Output (Min/Fixed)=0.6V, Category="Integrated Circuits (ICs)", Function=Step-Down, Mounting Type="Surface Mount", Number of Outputs=1, Output Configuration=Positive, Output Type=Adjustable, Packaging=Digi-Reel®, Part Description="Buck Switching Regulator IC Positive Adjustable 0.6V 1 Output 6A 24-WFQFN Exposed Pad, CSP", RoHS="RoHS Compliant", Supplier 1=Digi-Key, Synchronous Rectifier=Yes, Topology=Buck
IC44: library part MCP1525T-I/TT, "2.5V Voltage Reference, 3-Pin SOT-23, Industrial Temperature, Tape and Reel", Current - Cathode=-, Current - Output=2mA, Current - Supply=120µA, Manufacturer="Microchip Technology", Operating Temperature="-40°C ~ 85°C (TA)", Package / Case="TO-236-3, SC-59, SOT-23-3", Supplier Device Package=SOT-23-3, Supplier Part Number 1=MCP1525T-I/TTDKR-ND, Temperature Coefficient=50ppm/°C, Tolerance=±1%, Voltage - Input="2.7 V ~ 5.5 V", Voltage - Output (Min/Fixed)=2.5V, Assembly Info=NF, Category="Integrated Circuits (ICs)", ComponentLink1Description=http://www.microchip.com/mymicrochip/filehandler.aspx?ddocname=en011331, ComponentLink1URL=http://www.microchip.com/mymicrochip/filehandler.aspx?ddocname=en011331, Manufacturer Part Number 1=MCP1525T-I/TT, Mounting Type="Surface Mount", Noise - 0.1Hz to 10Hz=90µVp-p, Noise - 10Hz to 10kHz=500µVrms, Output Type=Fixed, PackageDescription="Series Voltage Reference IC ±1% 2mA SOT-23-3", Packaging=Digi-Reel®, Part Description="Series Voltage Reference IC ±1% 2mA SOT-23-3", Part Status=Active, Pricing 1="1=0.77, 25=0.64, 100=0.58 (USD)", Reference Type=Series, RoHS="RoHS Compliant", Stock 1=16612, Supplier 1=Digi-Key, Voltage - Output (Max)=-
IC45 IC46: library part AP7361, Current - Limit (Min)=1.1A, Current - Output=1A, Manufacturer="Diodes Incorporated", Manufacturer Part Number 1=AP7361-FGE-7, Operating Temperature="-40°C ~ 85°C", Package / Case="8-UDFN Exposed Pad", Supplier Device Package=U-DFN3030-8, Supplier Part Number 1=AP7361-FGE-7DICT-ND, Voltage - Dropout (Typical)="0.5V @ 1A", Voltage - Input="2.2 V ~ 6 V", Voltage - Output="0.8 V ~ 5.5 V", Category="Integrated Circuits (ICs)", Mounting Type="Surface Mount", Number of Regulators=1, Packaging="Cut Tape (CT)", Part Description="IC REG LDO ADJ 1A 8DFN", Regulator Topology="Positive Adjustable", RoHS="RoHS Compliant", Supplier 1=Digi-Key
J1: library part cm4_misc_GPIO, Manufacturer=Hirose, Manufacturer Part Number 1=DF40HC(3.0)-100DS-0.4V(51, Supplier Part Number 1=798-DF40HC30100DS451, ComponentLink1Description=https://datasheet.ciiva.com/13559/ed-df40-20140305-13559540.pdf?src-supplier=Mouser, ComponentLink1URL=https://datasheet.ciiva.com/13559/ed-df40-20140305-13559540.pdf?src-supplier=Mouser, ComponentLink2Description=https://datasheet.ciiva.com/18562/ed-df40-20140305-18562462.pdf?src-supplier=Digi-Key, ComponentLink2URL=https://datasheet.ciiva.com/18562/ed-df40-20140305-18562462.pdf?src-supplier=Digi-Key, Part Description="100 Position Connector Receptacle, Center Strip Contacts Surface Mount Gold", Pricing 1="1=2,50000, 10=2,15000, 50=2,15000, 100=2,00000, 250=1,75000, 500=1,70000, 1000=1,45000, 3000=1,34000, 10000=1,34000 (USD)", RoHS=Yes, Stock 1=0, Supplier 1=Mouser
J2: library part cm4_high_speed, Manufacturer=Hirose, Manufacturer Part Number 1=DF40HC(3.0)-100DS-0.4V(51, Supplier Part Number 1=798-DF40HC30100DS451, ComponentLink1Description=https://datasheet.ciiva.com/13559/ed-df40-20140305-13559540.pdf?src-supplier=Mouser, ComponentLink1URL=https://datasheet.ciiva.com/13559/ed-df40-20140305-13559540.pdf?src-supplier=Mouser, ComponentLink2Description=https://datasheet.ciiva.com/18562/ed-df40-20140305-18562462.pdf?src-supplier=Digi-Key, ComponentLink2URL=https://datasheet.ciiva.com/18562/ed-df40-20140305-18562462.pdf?src-supplier=Digi-Key, Part Description="100 Position Connector Receptacle, Center Strip Contacts Surface Mount Gold", Pricing 1="1=2,50000, 10=2,15000, 50=2,15000, 100=2,00000, 250=1,75000, 500=1,70000, 1000=1,45000, 3000=1,34000, 10000=1,34000 (USD)", RoHS=Yes, Stock 1=0, Supplier 1=Mouser